# Altium PCB MercurialSDR.PcbDoc (part 1 of 6)
Units mil, origin at the board's own origin, x right, y up, seen from the top; angles counter-clockwise.
Board outline 3937.01 x 2362.2 mil, 2 copper layers (Top Layer, Bottom Layer); 147 components, 115 nets, 574 pads, 237 vias.
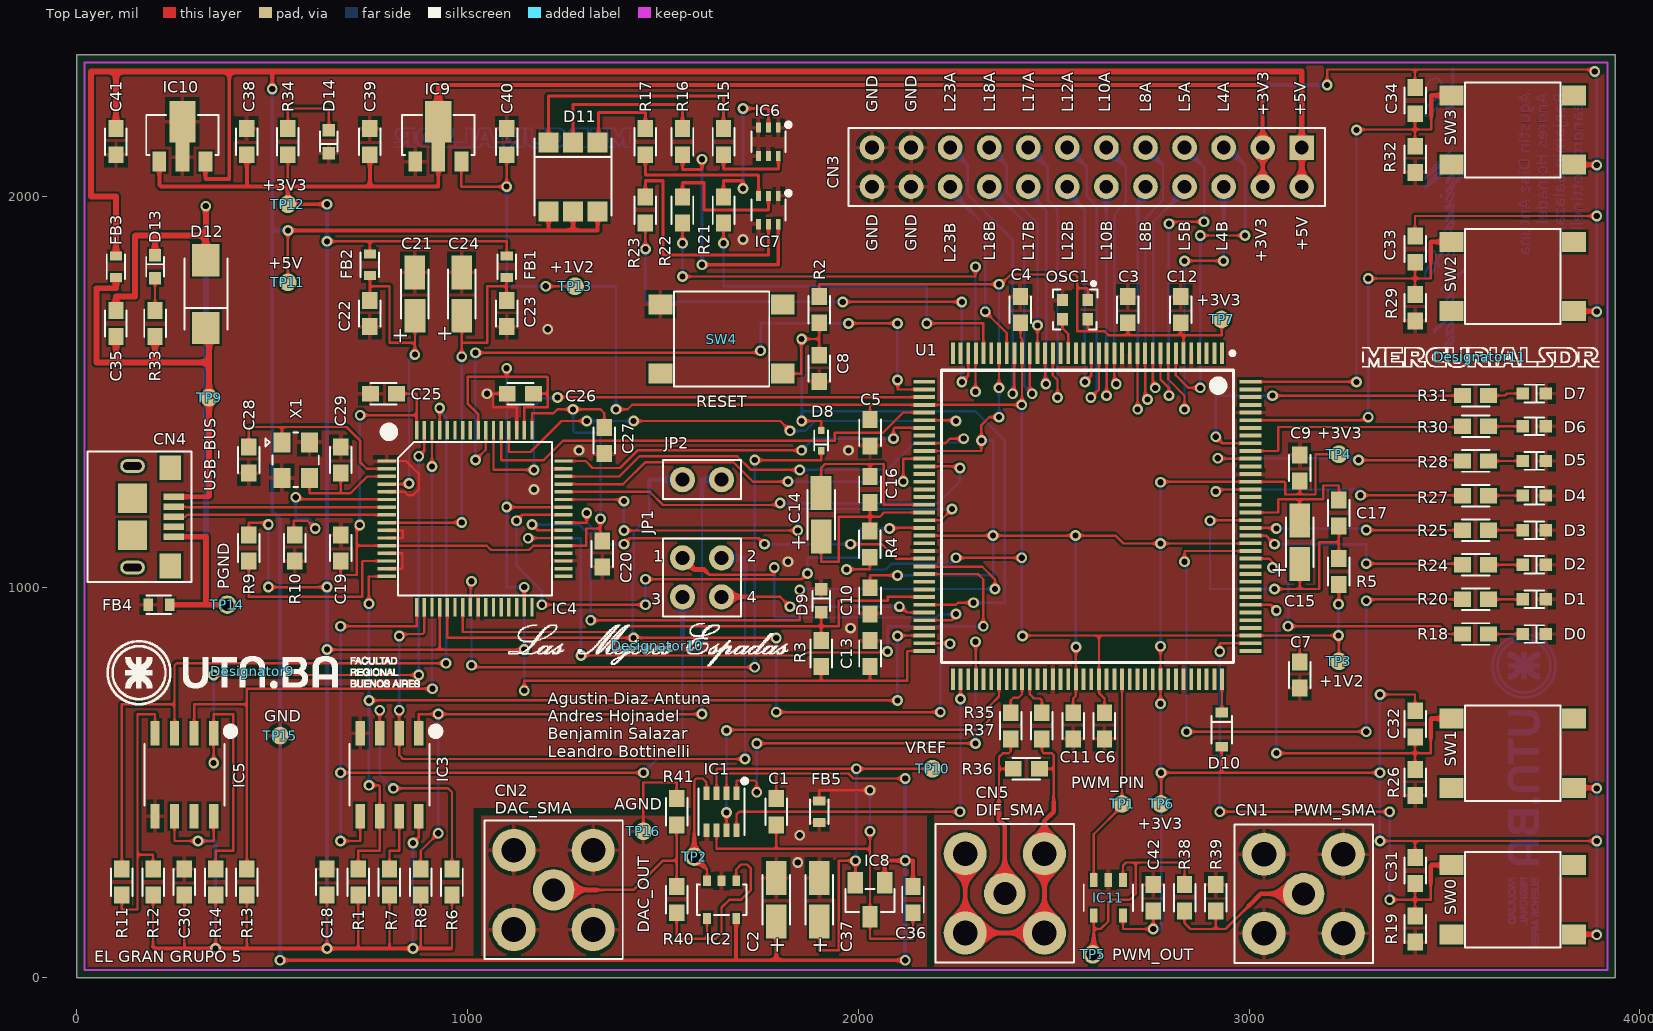
[diagram p0: Top Layer view]
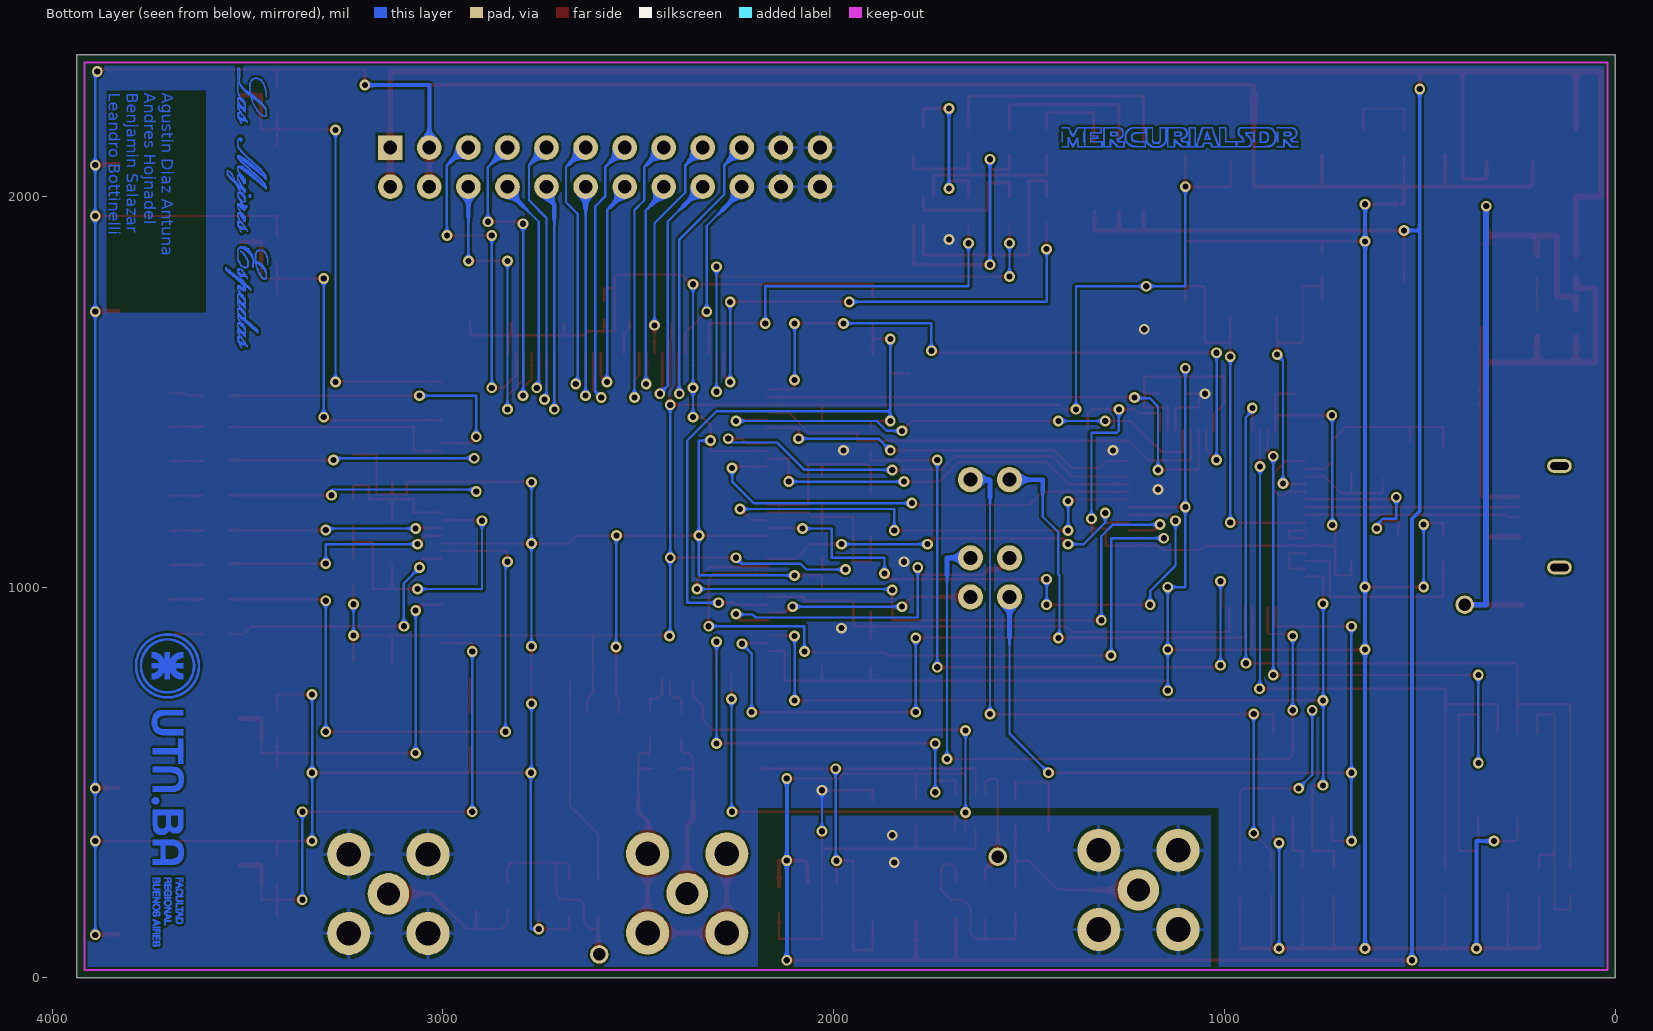
[diagram p1: Bottom Layer view, seen from below]

## Layer stack, top to bottom
Top Solder: solder mask 0.4, Solder Resist, Dk 3.5
Top Layer: signal copper 1.4
Dielectric 1: dielectric 12.6, FR-4, Dk 4.8
Bottom Layer: signal copper 1.4
Bottom Solder: solder mask 0.4, Solder Resist, Dk 3.5

## Board outline
0,0 0,2362.2 3937.01,2362.2 3937.01,0

## Design rules (kind name [scope] priority, off if disabled: settings)
Clearance [All] p1: gap=6
DiffPairsRouting [All] p1: maxlimit=6.2 minlimit=6.2 mostfreqgap=6.2 toplayer_minwidth=6 toplayer_maxwidth=15 toplayer_prefwidth=6 bottomlayer_minwidth=6 bottomlayer_maxwidth=15 bottomlayer_prefwidth=6 maxuncoupledlength=500
MinimumSolderMaskSliver [All] p1: minsoldermaskwidth=0
PlaneConnect [IsVia] p1: planeconnectstyle=Direct reliefexpansion=20 reliefentries=4 reliefconductorwidth=10 reliefairgap=10
PolygonConnect PolygonConnect_1 [IsVia] p1: connectstyle=Direct reliefconductorwidth=10 reliefentries=4 polygonreliefangle="90 Angle" airgapwidth=10
PolygonConnect [All] p2: connectstyle=Relief reliefconductorwidth=10 reliefentries=4 polygonreliefangle="90 Angle" airgapwidth=10
RoutingVias [All] p1: holewidth=15.75 width=27.56 viastyle="Through Hole" minholewidth=15.75 minwidth=27.56 maxholewidth=39.37 maxwidth=78.74
SilkToSilkClearance [All] p1: silktosilkclearance=0
SilkToSolderMaskClearance [IsPad] p1: minsilkscreentomaskgap=1 clearancetoexposedcopper=TRUE
SolderMaskExpansion [All] p1: expansion=4
Width [IsNet] p1: maxlimit=10 minlimit=6 preferedwidth=10
25 further rules are at their usual default settings.

## Classes and differential pairs
component class "FTDI Interface": C19 C20 C21 C22 C23 C24 C25 C26 C27 C28 C29 C30 FB1 FB2 IC4 IC5 R9 R10 R11 R12 R13 R14 X1
component class "iCE Banks": C1 C2 C42 CN1 CN2 CN5 IC1 IC2 IC11 R35 R36 R37 R38 R39 R40 R41 TP1 TP2 TP5 U1
component class "iCE Programming & Power": C4 C5 C6 C7 C8 C9 C10 C11 C12 C13 C14 C15 C16 C17 C18 D8 D9 D10 IC3 JP1 JP2 R1 R2 R3 R4 R5 R6 R7 R8 SW4 TP3 TP4 TP6 TP7
component class Miscellaneous: C3 C31 C32 C33 C34 CN3 D0 D1 D2 D3 D4 D5 D6 D7 D11 IC6 IC7 OSC1 R15 R16 R17 R18 R19 R20 R21 R22 R23 R24 R25 R26 R27 R28 R29 R30 R31 R32 SW0 SW1 SW2 SW3
component class "USB & Power": C35 C36 C37 C38 C39 C40 C41 CN4 D12 D13 D14 FB3 FB4 FB5 IC8 IC9 IC10 R33 R34 TP9 TP10 TP11 TP12 TP13 TP14 TP15 TP16
differential pair PWM_OUT: +PWM_OUT_P -PWM_OUT_N
differential pair PWM_DIF: +PWM_DIF_P -PWM_DIF_N
differential pair USB_D: +USB_D_P -USB_D_N

## Components (designator, comment, footprint, x,y, rotation, side; value= is the part's Value field where it differs from the comment)
C1 "Capacitor" CAP_0603 1790,425 r270 top
C2 "Capacitor Polarizado" CAP_TANT_1206 1790,200 r90 top
C3 "Capacitor" CAP_0603 2690,1710 r90 top
C4 "Capacitor" CAP_0603 2415,1710 r90 top
C5 "Capacitor" CAP_0603 2030,1395 r270 top
C6 "Capacitor" CAP_0603 2630,645 r270 top
C7 "Capacitor" CAP_0603 3130,775 r270 top
C8 "Capacitor" CAP_0603 1900,1560 r270 top
C9 "Capacitor" CAP_0603 3130,1305 r270 top
C10 "Capacitor" CAP_0603 2030,965 r90 top
C11 "Capacitor" CAP_0603 2550.13,645 r90 top
C12 "Capacitor" CAP_0603 2825,1710 r270 top
C13 "Capacitor" CAP_0603 2030,830 r270 top
C14 "Capacitor Polarizado" CAP_TANT_1206 1905,1185 r90 top
C15 "Capacitor Polarizado" CAP_TANT_1206 3129.85,1115 r90 top
C16 "Capacitor" CAP_0603 2030,1250 r90 top
C17 "Capacitor" CAP_0603 3230,1190 r90 top
C18 "Capacitor" CAP_0603 640,245 r270 top
C19 "Capacitor" CAP_0603 675,1100 r90 top
C20 "Capacitor" CAP_0603 1345,1085 r270 top
C21 "Capacitor Polarizado" CAP_TANT_1206 865,1750 r90 top
C22 "Capacitor" CAP_0603 750,1700 r270 top
C23 "Capacitor" CAP_0603 1100,1700 r270 top
C24 "Capacitor Polarizado" CAP_TANT_1206 985,1750 r90 top
C25 "Capacitor" CAP_0603 785,1495 r180 top
C26 "Capacitor" CAP_0603 1135,1495 r180 top
C27 "Capacitor" CAP_0603 1350,1375 r270 top
C28 "Capacitor" CAP_0603 440,1325 r270 top
C29 "Capacitor" CAP_0603 675,1325 r270 top
C30 "Capacitor" CAP_0603 275,245 r90 top
C31 "Capacitor" CAP_0603 3425,275 r270 top
C32 "Capacitor" CAP_0603 3425,650 r270 top
C33 "Capacitor" CAP_0603 3425,1865 r270 top
C34 "Capacitor" CAP_0603 3425,2245 r270 top
C35 "Capacitor" CAP_0603 100,1675 r90 top
C36 "Capacitor" CAP_0603 2140,200 r270 top
C37 "Capacitor Polarizado" CAP_TANT_1206 1900,200 r90 top
C38 "Capacitor" CAP_0603 435,2140 r90 top
C39 "Capacitor" CAP_0603 750,2140 r90 top
C40 "Capacitor" CAP_0603 1100,2140 r90 top
C41 "Capacitor" CAP_0603 100,2140 r270 top
C42 "Capacitor" CAP_0603 2755,205 r270 top
CN1 "SMA" SMA_Connector 3139.73,215 r0 top
CN2 "SMA" SMA_Connector 1220,225 r0 top
CN3 "Connector" CON_12x2 2585,2075 r0 top
CN4 "USB Plug" USB_Micro 195,1180 r270 top
CN5 "SMA" SMA_Connector 2375,216.21 r0 top
D0 "Led_small" LED_0603 3730,880 r0 top
D1 "Led_small" LED_0603 3730,968.57 r0 top
D2 "Led_small" LED_0603 3730,1057.14 r0 top
D3 "Led_small" LED_0603 3730,1145.71 r0 top
D4 "Led_small" LED_0603 3730,1234.29 r0 top
D5 "Led_small" LED_0603 3730,1322.86 r0 top
D6 "Led_small" LED_0603 3730,1411.43 r0 top
D7 "Led_small" LED_0603 3730,1495.5 r0 top
D8 "Schottky Diode" SOD-523 1905,1375 r270 top
D9 "Led" LED_0603 1905,965 r90 top
D10 "Schottky Diode" SOD-323 2930,635 r270 top
D11 "RGB_LED" "LED_RGB 5x5mm" 1270,2050 r0 top
D12 "TVS Diode" DO-214AC 330,1750 r270 top
D13 "Led" LED_0603 200,1820 r90 top
D14 "Led" LED_0603 645,2140 r270 top
Designator9 "Comment" UTN_BA_Logo_20.5x4.2mm 450,785 r0 top
Designator10 "Comment" LasMejoresEspadas 1485,850 r0 top
Designator11 "Comment" Mercurial_SDR_Overlay 3590,1590 r0 top
FB1 "Ferrite Bead" FERRITE_BEAD_0603 1100,1820 r270 top
FB2 "Ferrite Bead" FERRITE_BEAD_0603 750,1825 r270 top
FB3 "Ferrite Bead" FERRITE_BEAD_0603 100,1820 r90 top
FB4 "Ferrite Bead" FERRITE_BEAD_0603 210,955 r180 top
FB5 "Ferrite Bead" FERRITE_BEAD_0603 1900,425 r270 top
IC1 "Serial DAC" SOT-23-8 1650,425 r180 top
IC2 "OPAMP" SOT-23-5 1650,200 r270 top
IC3 "LE25U20AMB" SOIC-8 800,520 r270 top
IC4 "FT2232H" LQFP_64 1019.07,1175 r0 top
IC5 "93LC56BT" SOIC-8 275,520 r270 top
IC6 "BC846" TSSOP-6 1770,2140 r270 top
IC7 "BC846" TSSOP-6 1770,1965 r270 top
IC8 "Vref" SOT-23-3 2030,200 r180 top
IC9 "AP7217D" SOT89-3L 925,2140 r0 top
IC10 "AP7215" SOT89-3L 270,2140 r0 top
IC11 "OPAMP" SOT-23-5_2 2640,205 r270 top
JP1 "Jumper" "Jumper 2x2" 1550,1075 r0 top
JP2 "Jumper" "Jumper 2x1" 1650,1275 r180 top
OSC1 "Oscillator" VFLGA_2.5x2.0 2555,1710 r180 top
R1 "Resistor SMD" RES_0603 720,245 r90 top
R2 "Resistor SMD" RES_0603 1900,1710 r270 top
R3 "Resistor SMD" RES_0603 1905,830 r90 top
R4 "Resistor SMD" RES_0603 2029.4,1110 r270 top
R5 "Resistor SMD" RES_0603 3230,1040 r90 top
R6 "Resistor SMD" RES_0603 960,245 r90 top
R7 "Resistor SMD" RES_0603 800,245 r90 top
R8 "Resistor SMD" RES_0603 880,245 r270 top
R9 "Resistor SMD" RES_0603 440,1100 r90 top
R10 "Resistor SMD" RES_0603 557.5,1100 r270 top
R11 "Resistor SMD" RES_0603 115,245 r90 top
R12 "Resistor SMD" RES_0603 195,245 r270 top
R13 "Resistor SMD" RES_0603 435,245 r90 top
R14 "Resistor SMD" RES_0603 355,245 r90 top
R15 "Resistor SMD" RES_0603 1655,2140 r270 top
R16 "Resistor SMD" RES_0603 1550,2140 r270 top
R17 "Resistor SMD" RES_0603 1455,2140 r270 top
R18 "Resistor SMD" RES_0603 3580,880 r180 top
R19 "Resistor SMD" RES_0603 3425,125 r90 top
R20 "Resistor SMD" RES_0603 3580,968.57 r180 top
R21 "Resistor SMD" RES_0603 1655,1965 r270 top
R22 "Resistor SMD" RES_0603 1550,1965 r270 top
R23 "Resistor SMD" RES_0603 1455,1965 r90 top
R24 "Resistor SMD" RES_0603 3580,1057.14 r180 top
R25 "Resistor SMD" RES_0603 3580,1145.71 r180 top
R26 "Resistor SMD" RES_0603 3425,500 r90 top
R27 "Resistor SMD" RES_0603 3580,1234.29 r180 top
R28 "Resistor SMD" RES_0603 3580,1322.86 r180 top
R29 "Resistor SMD" RES_0603 3425,1715 r90 top
R30 "Resistor SMD" RES_0603 3580,1411.43 r180 top
R31 "Resistor SMD" RES_0603 3580,1490.38 r180 top
R32 "Resistor SMD" RES_0603 3425,2095 r90 top
R33 "Resistor SMD" RES_0603 200,1675 r90 top
R34 "Resistor SMD" RES_0603 540,2140 r90 top
R35 "Resistor SMD" RES_0603 2390,645 r90 top
R36 "Resistor SMD" RES_0603 2430,535 r0 top
R37 "Resistor SMD" RES_0603 2470,645 r90 top
R38 "Resistor SMD" RES_0603 2835,205 r270 top
R39 "Resistor SMD" RES_0603 2915,205 r90 top
R40 "Resistor SMD" RES_0603 1535,200 r90 top
R41 "Resistor SMD" RES_0603 1535,425 r90 top
SW0 "Pulsador" SWITCH_6X6mm 3675,200 r180 top
SW1 "Pulsador" SWITCH_6X6mm 3675,575 r180 top
SW2 "Pulsador" SWITCH_6X6mm 3675,1795 r180 top
SW3 "Pulsador" SWITCH_6X6mm 3675,2170 r180 top
SW4 "Pulsador" SWITCH_6X6mm 1650,1635 r180 top
TP1 "Test Point" TP_TOP 2675,445 r90 top
TP2 "Test Point" TP_TH 1580,310 r90 top
TP3 "Test Point" TP_TOP 3230,810 r90 top
TP4 "Test Point" TP_TOP 3230,1340 r90 top
TP5 "Test Point" TP_TH 2600,60 r90 top
TP6 "Test Point" TP_TOP 2775,445 r90 top
TP7 "Test Point" TP_TOP 2930,1685 r90 top
TP9 "Test Point" TP_TOP 338.29,1485 r90 top
TP10 "Test Point" TP_TOP 2190,535 r90 top
TP11 "Test Point" TP_TOP 540,1780 r90 top
TP12 "Test Point" TP_TOP 540,1980 r90 top
TP13 "Test Point" TP_TOP 1275,1770 r90 top
TP14 "Test Point" TP_TH 385,955 r90 top
TP15 "Test Point" TP_TOP 520,620 r90 top
TP16 "Test Point" TP_TOP 1450,375 r90 top
U1 "iCE40HX4K-TQ144" LATC-TQFP-144_L 2586.45,1181.1 r270 top
X1 "XTAL_4term" XTAL_3.2x2.5 560,1325 r270 top

## Footprints (in the part's own frame and the unit in brackets; to place one, negate y for a bottom-side part, rotate by r counter-clockwise, add the part's x,y. Pads: shape width x height; smd on the part's side, far side on the other; paste and mask are expansions set on the pad)
CAP_0603 [mm] "Capacitor SMD 0603"
  rect 1.1x1 smd: 1(-0.85,0) 2(0.85,0)
  silkscreen extent -0.85,-0.7 0.85,0.7, body extent -1.23,-0.4 1.23,0.4, height 0.8
CAP_TANT_1206 [mm] "Capacitor Tantalio 1206"
  rect 2.2x1.35 smd: 1(-1.41,-0.005) 2(1.41,0.005)
  silkscreen extent -1.6,-0.9 1.6,0.9, body extent -1.73,-0.9 1.67,0.9, height 1.8
CON_12x2 [mil] "Conector 12x2"
  rect 63x63 hole 35: 1(550,50)
  round 63 hole 35: 2(550,-50) 3(450,50) 4(450,-50) 5(350,50) 6(350,-50) 7(250,50) 8(250,-50) 9(150,50) 10(150,-50) 11(50,50) 12(50,-50) 13(-50,50) 14(-50,-50) 15(-150,50) 16(-150,-50) 17(-250,50) 18(-250,-50) 19(-350,50) 20(-350,-50) 21(-450,50) 22(-450,-50) 23(-550,50) 24(-550,-50)
  silkscreen extent -610,-100 610,100, body extent -608,-99 608,99, height 354
DO-214AC [mm] "TVS SMD"
  rect 2.1x1.8 smd: 1(-2.2,0) 2(2.2,0)
  silkscreen extent -2.3,-1.4 2.3,1.4, body extent -2.64,-1.4 2.84,1.4, height 1.14
FERRITE_BEAD_0603 [mm] "Ferrite bead 0603"
  rect 0.6x0.8 smd: 1(-0.7,0) 2(0.7,0)
  silkscreen extent -0.8,-0.6 0.8,0.6, body extent -0.8,-0.4 0.8,0.4, height 0.8
"Jumper 2x1" [mm] "Jumper 2x1"
  round 1.64 hole 0.91: 1(0,0) 2(2.54,0)
  silkscreen extent -1.27,-1.27 3.81,1.27, body extent -1.23,-1.27 3.77,1.27, height 9.5
"Jumper 2x2" [mm] "Jumper 2x2"
  round 1.64 hole 0.91: 1(0,0) 2(2.54,0) 3(0,-2.54) 4(2.54,-2.54)
  silkscreen extent -1.27,-3.81 3.81,1.27, body extent -1.23,-3.81 3.77,1.27, height 9.5
LasMejoresEspadas [mil]
  silkscreen extent -382,-51 336,58
LATC-TQFP-144_L [mm] "QFP, 144-Leads, Body 20x20mm, Pitch 0.5mm, IPC High Density"
  rect 1.4x0.25 smd: 1(-10.6,8.75) 2(-10.6,8.25) 3(-10.6,7.75) 4(-10.6,7.25) 5(-10.6,6.75) 6(-10.6,6.25) 7(-10.6,5.75) 8(-10.6,5.25) 9(-10.6,4.75) 10(-10.6,4.25) 11(-10.6,3.75) 12(-10.6,3.25) 13(-10.6,2.75) 14(-10.6,2.25) 15(-10.6,1.75) 16(-10.6,1.25) 17(-10.6,0.75) 18(-10.6,0.25) 19(-10.6,-0.25) 20(-10.6,-0.75) 21(-10.6,-1.25) 22(-10.6,-1.75) 23(-10.6,-2.25) 24(-10.6,-2.75) 25(-10.6,-3.25) 26(-10.6,-3.75) 27(-10.6,-4.25) 28(-10.6,-4.75) 29(-10.6,-5.25) 30(-10.6,-5.75) 31(-10.6,-6.25) 32(-10.6,-6.75) 33(-10.6,-7.25) 34(-10.6,-7.75) 35(-10.6,-8.25) 36(-10.6,-8.75) 73(10.6,-8.75) 74(10.6,-8.25) 75(10.6,-7.75) 76(10.6,-7.25) 77(10.6,-6.75) 78(10.6,-6.25) 79(10.6,-5.75) 80(10.6,-5.25) 81(10.6,-4.75) 82(10.6,-4.25) 83(10.6,-3.75) 84(10.6,-3.25) 85(10.6,-2.75) 86(10.6,-2.25) 87(10.6,-1.75) 88(10.6,-1.25) 89(10.6,-0.75) 90(10.6,-0.25) 91(10.6,0.25) 92(10.6,0.75) 93(10.6,1.25) 94(10.6,1.75) 95(10.6,2.25) 96(10.6,2.75) 97(10.6,3.25) 98(10.6,3.75) 99(10.6,4.25) 100(10.6,4.75) 101(10.6,5.25) 102(10.6,5.75) 103(10.6,6.25) 104(10.6,6.75) 105(10.6,7.25) 106(10.6,7.75) 107(10.6,8.25) 108(10.6,8.75)
  rect 0.25x1.4 smd: 37(-8.75,-10.6) 38(-8.25,-10.6) 39(-7.75,-10.6) 40(-7.25,-10.6) 41(-6.75,-10.6) 42(-6.25,-10.6) 43(-5.75,-10.6) 44(-5.25,-10.6) 45(-4.75,-10.6) 46(-4.25,-10.6) 47(-3.75,-10.6) 48(-3.25,-10.6) 49(-2.75,-10.6) 50(-2.25,-10.6) 51(-1.75,-10.6) 52(-1.25,-10.6) 53(-0.75,-10.6) 54(-0.25,-10.6) 55(0.25,-10.6) 56(0.75,-10.6) 57(1.25,-10.6) 58(1.75,-10.6) 59(2.25,-10.6) 60(2.75,-10.6) 61(3.25,-10.6) 62(3.75,-10.6) 63(4.25,-10.6) 64(4.75,-10.6) 65(5.25,-10.6) 66(5.75,-10.6) 67(6.25,-10.6) 68(6.75,-10.6) 69(7.25,-10.6) 70(7.75,-10.6) 71(8.25,-10.6) 72(8.75,-10.6) 109(8.75,10.6) 110(8.25,10.6) 111(7.75,10.6) 112(7.25,10.6) 113(6.75,10.6) 114(6.25,10.6) 115(5.75,10.6) 116(5.25,10.6) 117(4.75,10.6) 118(4.25,10.6) 119(3.75,10.6) 120(3.25,10.6) 121(2.75,10.6) 122(2.25,10.6) 123(1.75,10.6) 124(1.25,10.6) 125(0.75,10.6) 126(0.25,10.6) 127(-0.25,10.6) 128(-0.75,10.6) 129(-1.25,10.6) 130(-1.75,10.6) 131(-2.25,10.6) 132(-2.75,10.6) 133(-3.25,10.6) 134(-3.75,10.6) 135(-4.25,10.6) 136(-4.75,10.6) 137(-5.25,10.6) 138(-5.75,10.6) 139(-6.25,10.6) 140(-6.75,10.6) 141(-7.25,10.6) 142(-7.75,10.6) 143(-8.25,10.6) 144(-8.75,10.6)
  silkscreen extent -10.72,-9.5 9.5,9.55, body extent -10,-10 10,10, height 1.6
LED_0603 [mm] "Led_0603"
  rect 0.8x0.8 smd: 1(-0.75,0) 2(0.75,0)
  silkscreen extent -0.65,-0.57 0.65,0.57, body extent -0.82,-0.4 0.88,0.4, height 0.65
"LED_RGB 5x5mm" [mm] "Led RGB 5mm x 5mm"
  rect 1.3x1.3 smd: 1(1.6,2.25) 2(0,2.25) 3(-1.6,2.25) 4(-1.6,-2.25) 5(0,-2.25) 6(1.6,-2.25)
  silkscreen extent -2.5,-2.5 2.5,2.5, body extent -2.45,-2.77 2.65,2.77, height 1.6
LQFP_64 [mm]
  rect 1.2x0.22 smd: 1(-5.75,3.75) 2(-5.75,3.25) 3(-5.75,2.75) 4(-5.75,2.25) 5(-5.75,1.75) 6(-5.75,1.25) 7(-5.75,0.75) 8(-5.75,0.25) 9(-5.75,-0.25) 10(-5.75,-0.75) 11(-5.75,-1.25) 12(-5.75,-1.75) 13(-5.75,-2.25) 14(-5.75,-2.75) 15(-5.75,-3.25) 16(-5.75,-3.75) 33(5.75,-3.75) 34(5.75,-3.25) 35(5.75,-2.75) 36(5.75,-2.25) 37(5.75,-1.75) 38(5.75,-1.25) 39(5.75,-0.75) 40(5.75,-0.25) 41(5.75,0.25) 42(5.75,0.75) 43(5.75,1.25) 44(5.75,1.75) 45(5.75,2.25) 46(5.75,2.75) 47(5.75,3.25) 48(5.75,3.75)
  rect 0.22x1.2 smd: 17(-3.8,-5.75) 18(-3.3,-5.75) 19(-2.8,-5.75) 20(-2.3,-5.75) 21(-1.8,-5.75) 22(-1.3,-5.75) 23(-0.8,-5.75) 24(-0.3,-5.75) 25(0.2,-5.75) 26(0.7,-5.75) 27(1.2,-5.75) 28(1.7,-5.75) 29(2.2,-5.75) 30(2.7,-5.75) 31(3.2,-5.75) 32(3.7,-5.75) 49(3.7,5.75) 50(3.2,5.75) 51(2.7,5.75) 52(2.2,5.75) 53(1.7,5.75) 54(1.2,5.75) 55(0.7,5.75) 56(0.2,5.75) 57(-0.3,5.75) 58(-0.8,5.75) 59(-1.3,5.75) 60(-1.8,5.75) 61(-2.3,5.75) 62(-2.8,5.75) 63(-3.3,5.75) 64(-3.8,5.75)
  silkscreen extent -5.9,-5 5,5.95, body extent -6.12,-6.07 6.02,6.07, height 1.62
Mercurial_SDR_Overlay [mil]
  silkscreen extent -300,-28 306,24
RES_0603 [mm] "Resistor SMD 0603"
  rect 1.1x1 smd: 1(-0.85,0) 2(0.85,0)
  silkscreen extent -0.9,-0.7 0.9,0.7, body extent -0.8,-0.4 0.8,0.4, height 0.3
SMA_Connector [mm] "Conector SMA"
  round 2.7 hole 1.5: 1(0,0)
  round 2.8 hole 1.6: 2(-2.575,-2.575) 2(-2.575,2.575) 2(2.575,-2.575) 2(2.575,2.575)
  silkscreen extent -4.5,-4.5 4.5,4.5, body extent -3.17,-11.57 3.17,3.23, height 10.17
SOD-323 [mm] "Diodo Schottkey"
  rect 0.63x0.83 smd: 1(1.115,0) 2(-1.115,0)
  silkscreen extent -0.9,-0.67 0.91,0.67, body extent -1.26,-0.62 1.24,0.63, height 1.1
SOD-523 [mm]
  rect 0.48x0.4 smd: 1(-0.66,0) 2(0.66,0)
  silkscreen extent -0.65,-0.45 0.65,0.45, body extent -0.79,-0.39 0.81,0.41, height 0.7
SOIC-8 [mm] "Memoria Flash 256kb SOIC-8"
  rect 1.6x0.6 smd: 1(-2.7,1.905) 2(-2.7,0.635) 3(-2.7,-0.635) 4(-2.7,-1.905) 5(2.7,-1.905) 6(2.7,-0.635) 7(2.7,0.635) 8(2.7,1.905)
  silkscreen extent -3.07,-2.6 2,3.25, body extent -3,-2.45 3,2.46, height 1.75
SOT89-3L [mm]
  rect 0.9x1.3 smd: 1(-1.5,-1.3) 3(1.5,-1.3)
  rect 0.9x1.9 smd: 2(0,-1)
  rect 1.7x2.7 smd: 2(0,1.3)
  silkscreen extent -2.35,-0.85 2.35,1.75, body extent -2.25,-1.8 2.25,2.45, height 1.54
SOT-23-3 [mm]
  rect 1x1.4 smd: 1(-0.95,-1.1) 2(0.95,-1.1) 3(0,1.1)
  silkscreen extent -1.6,-0.7 1.6,0.8, body extent -1.46,-1.18 1.46,1.19, height 1.12
SOT-23-5 [mm]
  rect 0.7x0.5 smd: 1(-1.225,0.95) 2(-1.225,0) 3(-1.225,-0.95) 4(1.225,-0.95) 5(1.225,0.95)
  silkscreen extent -1,-1.6 1,1.61, body extent -1.35,-1.45 1.35,1.45, height 1.45
SOT-23-5_2 [mm]
  rect 0.9x0.5 smd: 1(-1.15,0.95) 2(-1.15,0) 3(-1.15,-0.95) 4(1.15,-0.95) 5(1.15,0.95)
  silkscreen extent -0.85,-1.6 0.85,1.6, body extent -1.4,-1.45 1.4,1.45, height 1.45
SOT-23-8 [mm]
  rect 0.4x0.9 smd: 1(-0.975,-1.2) 2(-0.325,-1.2) 3(0.325,-1.2) 4(0.975,-1.2) 5(0.975,1.2) 6(0.325,1.2) 7(-0.325,1.2) 8(-0.975,1.2)
  silkscreen extent -1.64,-2.14 1.5,1.5, body extent -1.45,-1.4 1.45,1.4, height 1.45
SWITCH_6X6mm [mm] "Pulsador 6mm x 6mm"
  rect 1.55x1.3 smd: 1(-3.975,2.25) 2(3.975,2.25) 3(-3.975,-2.25) 4(3.975,-2.25)
  silkscreen extent -3.1,-3.1 3.1,3.1, body extent -4.48,-3.05 4.52,2.95, height 4.3
TP_TH [mm]
  round 1.2 hole 0.8: 1(0,0)
TP_TOP [mm]
  round 1.15 smd: 1(0,0)
TSSOP-6 [mm] "Array TBJ x2 TSSOP-6"
  rect 0.66x0.3 smd: 1(-0.92,0.65) 2(-0.92,0) 3(-0.92,-0.65) 4(0.92,-0.65) 5(0.92,0) 6(0.92,0.65)
  silkscreen extent -1.12,-1.1 0.67,1.33, body extent -1.14,-1.12 1.1,1.13, height 1.1
USB_Micro [mm] "Conector microUSB"
  oval 0.9x1.6 hole 0.5 slot 1.2 at 90 deg unplated: 0(-3.3,-1.338) 0(3.3,-1.338)
  rect 1.6x1.4 smd: 0(-3.2,1.112) 0(3.2,1.112)
  rect 1.9x1.9 smd: 0(-1.2,-1.338) 0(1.2,-1.338)
  rect 0.4x1.35 smd: 1(-1.3,1.338) 2(-0.65,1.338) 3(0,1.338) 4(0.65,1.338) 5(1.3,1.338)
  silkscreen extent -4.25,-4.25 4.25,2.5, body extent -3.93,-4.04 3.93,1.62, height 3.18
UTN_BA_Logo_20.5x4.2mm [mil]
  silkscreen extent -374,-86 428,79
VFLGA_2.5x2.0 [mm]
  rect 0.7x0.8 smd: 1(-0.825,-0.625) 2(0.825,-0.625) 3(0.825,0.625) 4(-0.825,0.625)
  silkscreen extent -1.45,-1.8 1.45,1.3, body extent -1.25,-1 1.25,1, height 0.99
XTAL_3.2x2.5 [mm]
  rect 1.3x1.1 smd: 1(-1.15,-0.9) 2(1.15,-0.9) 3(1.15,0.9) 4(-1.15,0.9)
  silkscreen extent -1.8,-1.95 1.75,1.5, body extent -1.69,-1.39 1.69,1.39, height 0.9

## Part data
C1 C3 C4 C5 C6 C7 C8 C9 C10 C11 C12 C13 C16 C17 C18 C19 C20 C22 C23 C25 C26 C27 C28 C29 C30 C31 C32 C33 C34 C35 C36 C38 C39 C40 C41 C42: library part Cap, "Capacitor no polarizado"
C2 C14 C15 C21 C24 C37: library part "Cap Pol", "Capacitor polarizado"
CN1 CN2 CN5: "Conector SMA"
CN3: library part CN_12x2, "Conector genérico 12x2"
D8 D10: library part Diodo_Schottky, "Diodo Schottkey"
D11: library part LED_RGB, "Led RGB"
D12: library part TVS_DIODE, "TVS (Supresor de transitorios)"
IC1: library part AD5061, "DAC SPI"
IC2 IC11: "Operational Amplifier"
IC3: "Flash Memmory SPI (256Kx8)"
IC4: "USB bridge"
IC5: library part 93LC56BT/SN, "EEPROM SPI 2kb (128x16)"
IC6 IC7: library part BC846BDW_1, "TBJ NPN Dual"
IC8: library part MCP1541, "Reference Voltage"
IC9: "Linear Voltage Regulator 1V2"
IC10: "Linear Voltage Regulator 3v3"
JP1: library part "Jumper 2x2", "Jumper 2x2"
OSC1: "Oscilador de 4 terminales"
R1 R2 R3 R4 R5 R6 R7 R8 R9 R10 R11 R12 R13 R14 R15 R16 R17 R18 R19 R20 R21 R22 R23 R24 R25 R26 R27 R28 R29 R30 R31 R32 R33 R34 R35 R36 R37 R38 R39 R40 R41: library part Res, "Resistor"
U1: library part ICE40HX4K-TQ144, "iCE40 HX4K Series FPGA Family, 3520 Logic Cells, 1.2 V Core, 80 K Embedded RAM Bits, 144-pin TQFP, Pb-Free, Tray"
X1: "Oscilador a Cristal"

## Via types
v1: diameter 27.56, hole 15.75, Top Layer to Bottom Layer, tented both sides, 237 vias
